# Altium PCB Hvamp_32.PCBDOC (part 4 of 6) (continued)
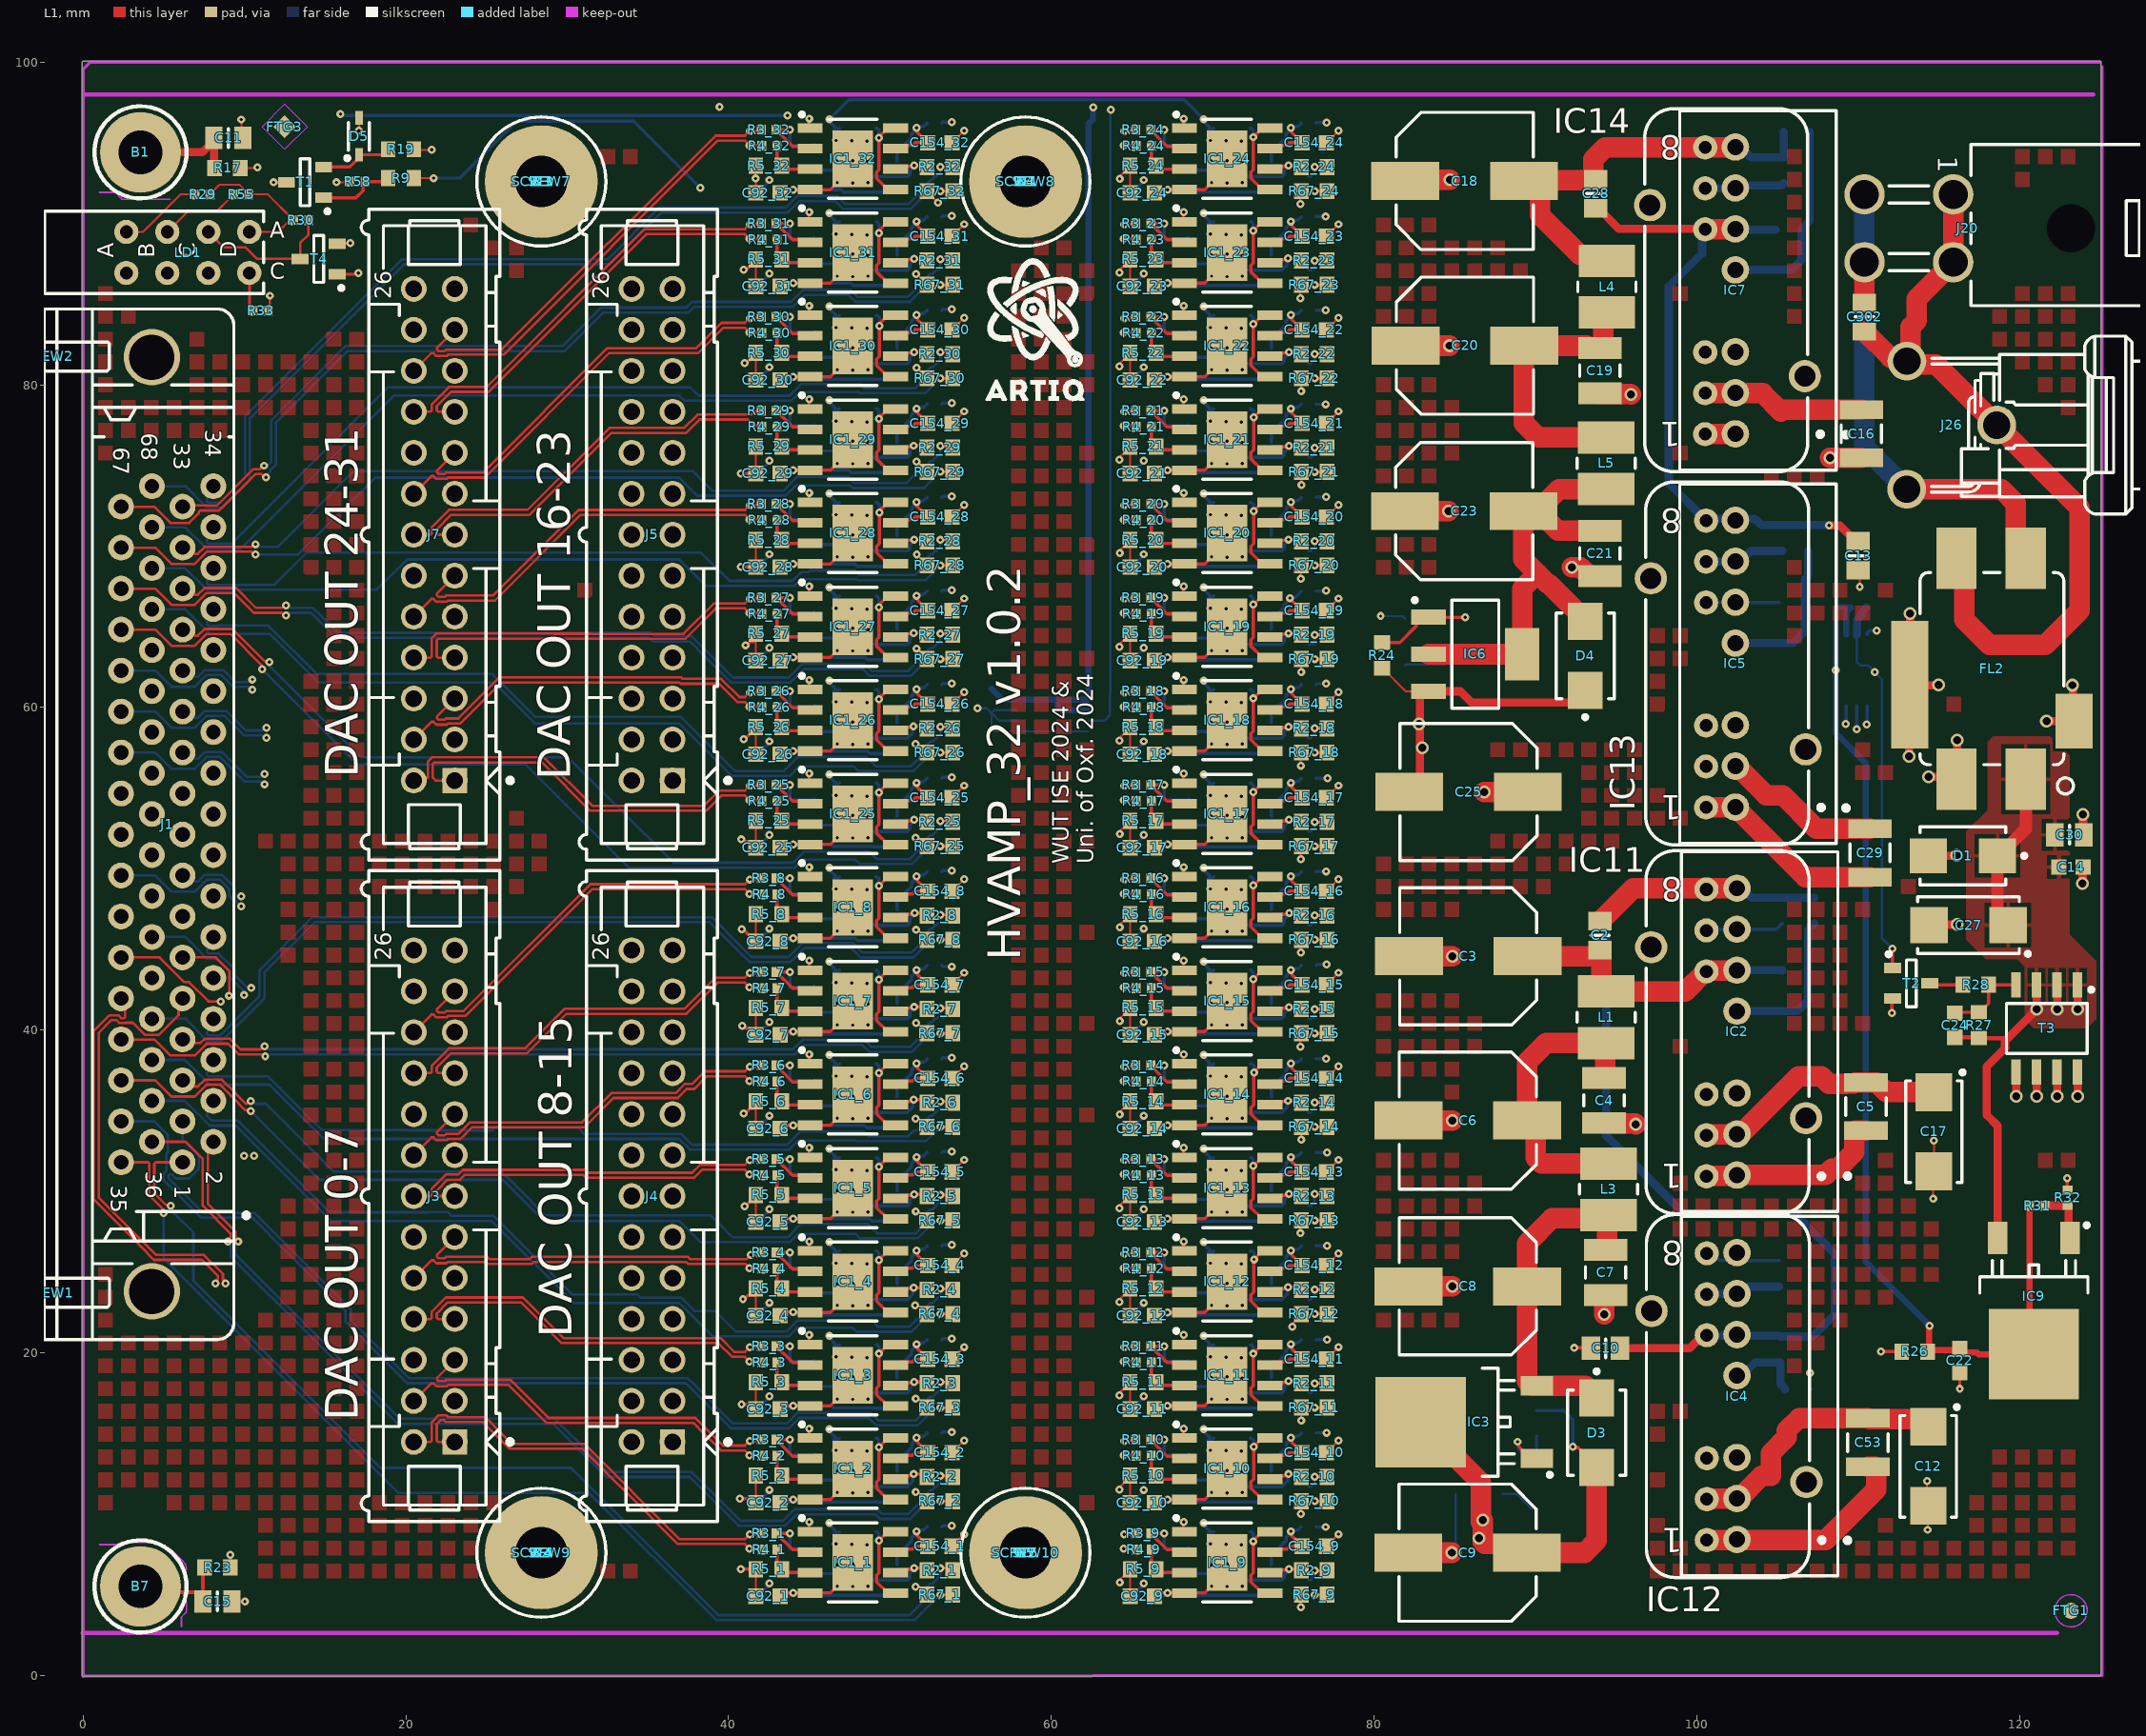
[diagram p0: L1 view]
## Nets (pads, with @x,y where several pads share a name; then routed paths per layer and width w, separated by ;. In a path a pad name is that pad's centre, name@x,y a point inside that pad or via, vN(x,y) a via of type N, cw(c..) or ccw(c..) an arc to the next point about the centre after c; other vN are vias at no path point) (continued)
N_HV_CH_25: C92_25.2 D21_25.1 IC1_25.4 IC1_25.9 L18_25.2 | length 11.3
  L1 w0.203: C92_25.2@43.193,51.297 43.391,51.495 IC1_25.4@45.05,51.495 46.3,51.495 46.734,51.929 v1(46.74,51.929)
  L6 w0.203: L18_25.2@43.16,51.1 43.16,51.11 43.358,51.308 43.733,51.308 43.92,51.495 46.389,51.495 46.51,51.374 48.853,51.374 48.878,51.35 D21_25.1@50.45,51.35
  other v1: 44,51.495 47.705,51.904 48.645,51.929 48.645,53.225 46.714,53.25 47.704,53.295 48.594,54.495 47.629,54.52 46.654,54.545
N_HV_CH_26: C92_26.2 D21_26.1 IC1_26.4 IC1_26.9 L18_26.2 | length 11.3
  L1 w0.203: C92_26.2@43.193,57.097 43.391,57.295 IC1_26.4@45.05,57.295 46.3,57.295 46.734,57.729 v1(46.74,57.729)
  L6 w0.203: L18_26.2@43.16,56.9 43.16,56.91 43.358,57.108 43.733,57.108 43.92,57.295 48.622,57.295 48.767,57.15 D21_26.1@50.45,57.15
  other v1: 44,57.295 47.705,57.704 48.645,57.729 48.645,59.025 46.714,59.05 47.704,59.095 48.594,60.295 47.629,60.32 46.654,60.345
N_HV_CH_27: C92_27.2 D21_27.1 IC1_27.4 IC1_27.9 L18_27.2 | length 11.3
  L1 w0.203: C92_27.2@43.193,62.897 43.391,63.095 IC1_27.4@45.05,63.095 46.3,63.095 46.734,63.529 v1(46.74,63.529)
  L6 w0.203: L18_27.2@43.16,62.7 43.16,62.71 43.358,62.908 43.733,62.908 43.92,63.095 48.461,63.095 48.606,62.95 D21_27.1@50.45,62.95
  other v1: 44,63.095 47.705,63.504 48.645,63.529 48.645,64.825 46.714,64.85 47.704,64.895 48.594,66.095 47.629,66.12 46.654,66.145
N_HV_CH_28: C92_28.2 D21_28.1 IC1_28.4 IC1_28.9 L18_28.2 | length 11.3
  L1 w0.203: C92_28.2@43.193,68.697 43.391,68.895 IC1_28.4@45.05,68.895 46.3,68.895 46.734,69.329 v1(46.74,69.329)
  L6 w0.203: L18_28.2@43.16,68.5 43.16,68.51 43.358,68.708 43.733,68.708 43.92,68.895 47.843,68.895 47.988,68.75 D21_28.1@50.45,68.75
  other v1: 44,68.895 47.705,69.304 48.645,69.329 48.645,70.625 46.714,70.65 47.704,70.695 48.594,71.895 47.629,71.92 46.654,71.945
N_HV_CH_29: C92_29.2 D21_29.1 IC1_29.4 IC1_29.9 L18_29.2 | length 11.3
  L1 w0.203: C92_29.2@43.193,74.497 43.391,74.695 IC1_29.4@45.05,74.695 46.3,74.695 46.734,75.129 v1(46.74,75.129)
  L6 w0.203: L18_29.2@43.16,74.3 43.16,74.31 43.358,74.508 43.733,74.508 43.92,74.695 47.454,74.695 47.599,74.55 D21_29.1@50.45,74.55
  other v1: 44,74.695 47.705,75.104 48.645,75.129 48.645,76.425 46.714,76.45 47.704,76.495 48.594,77.695 47.629,77.72 46.654,77.745
N_HV_CH_30: C92_30.2 D21_30.1 IC1_30.4 IC1_30.9 L18_30.2 | length 11.3
  L1 w0.203: C92_30.2@43.193,80.297 43.391,80.495 IC1_30.4@45.05,80.495 46.3,80.495 46.734,80.929 v1(46.74,80.929)
  L6 w0.203: L18_30.2@43.16,80.1 43.16,80.11 43.358,80.308 43.733,80.308 43.92,80.495 v1(44,80.495) 44.08,80.495 44.225,80.35 D21_30.1@50.45,80.35
  other v1: 47.705,80.904 48.645,80.929 48.645,82.225 46.714,82.25 47.704,82.295 48.594,83.495 47.629,83.52 46.654,83.545
N_HV_CH_31: C92_31.2 D21_31.1 IC1_31.4 IC1_31.9 L18_31.2 | length 11.3
  L1 w0.203: C92_31.2@43.193,86.097 43.391,86.295 IC1_31.4@45.05,86.295 46.3,86.295 46.734,86.729 v1(46.74,86.729)
  L6 w0.203: L18_31.2@43.16,85.9 43.16,85.91 43.358,86.108 43.733,86.108 43.92,86.295 47.586,86.295 47.731,86.15 D21_31.1@50.45,86.15
  other v1: 44,86.295 47.705,86.704 48.645,86.729 48.645,88.025 46.714,88.05 47.704,88.095 48.594,89.295 47.629,89.32 46.654,89.345
N_HV_CH_32: C92_32.2 D21_32.1 IC1_32.4 IC1_32.9 L18_32.2 | length 11.3
  L1 w0.203: C92_32.2@43.193,91.897 43.391,92.095 IC1_32.4@45.05,92.095 46.3,92.095 46.734,92.529 v1(46.74,92.529)
  L6 w0.203: L18_32.2@43.16,91.7 43.16,91.71 43.358,91.908 43.733,91.908 43.92,92.095 46.981,92.095 47.126,91.95 D21_32.1@50.45,91.95
  other v1: 44,92.095 47.705,92.504 48.645,92.529 48.645,93.825 46.714,93.85 47.704,93.895 48.594,95.095 47.629,95.12 46.654,95.145
NetB1_1: B1.1 C11.1 R17.2 | length 6.9
  L1 w0.508: B1.1@3.556,94.412 7.387,94.412 8.1,95.125 C11.1@8.1,95.3 8.121,95.279 8.121,93.461 R17.2@8.142,93.44
NetB7_1: B7.1 C15.1 R23.2 | length 6.3
  L1 w0.254: B7.1@3.556,5.512 3.914,5.154 7.026,5.154 C15.1@7.424,4.756 ; C15.1@7.424,4.581 C15.1@7.424,4.756 ; R23.2@7.524,6.673 7.424,6.573 C15.1@7.424,4.756
NetC1_1_1: C1_1.1 IC1_1.2 R1_1.1 R3_1.2 | length 5.9
  L1 w0.203: v1(43.8,8.8) R3_1.2@42.97,8.8 42.97,8.78 43.97,7.78 44.905,7.78 IC1_1.2@45.05,7.635
  L6 w0.203: v1(43.8,8.8) 43.8,7.85 45.25,7.85 R1_1.1@45.3,7.9
NetC1_1_2: C1_1.2 IC1_1.6 R1_1.2 R2_1.1 | length 10.6
  L1 w0.203: IC1_1.6@50.35,6.365 50.548,6.563 51.339,6.563 51.431,6.655 52.005,6.655 R2_1.1@52.295,6.365
  L6 w0.203: C1_1.2@43.8,6.35 45.25,6.35 R1_1.2@45.3,6.3 48.551,6.3 48.951,5.9 51.1,5.9 51.244,6.044 51.244,6.307 51.511,6.574 v1(51.511,6.655)
NetC1_2_1: C1_2.1 IC1_2.2 R1_2.1 R3_2.2 | length 5.9
  L1 w0.203: v1(43.8,14.6) R3_2.2@42.97,14.6 42.97,14.58 43.97,13.58 44.905,13.58 IC1_2.2@45.05,13.435
  L6 w0.203: v1(43.8,14.6) 43.8,13.65 45.25,13.65 R1_2.1@45.3,13.7
NetC1_2_2: C1_2.2 IC1_2.6 R1_2.2 R2_2.1 | length 10.6
  L1 w0.203: IC1_2.6@50.35,12.165 50.548,12.363 51.297,12.363 51.405,12.471 51.988,12.471 R2_2.1@52.295,12.165
  L6 w0.203: C1_2.2@43.8,12.15 45.25,12.15 R1_2.2@45.3,12.1 48.551,12.1 48.951,11.7 51.1,11.7 51.429,12.029 51.429,12.415 v1(51.486,12.471)
NetC1_3_1: C1_3.1 IC1_3.2 R1_3.1 R3_3.2 | length 5.9
  L1 w0.203: v1(43.8,20.4) R3_3.2@42.97,20.4 42.97,20.38 43.97,19.38 44.905,19.38 IC1_3.2@45.05,19.235
  L6 w0.203: v1(43.8,20.4) 43.8,19.45 45.25,19.45 R1_3.1@45.3,19.5
NetC1_3_2: C1_3.2 IC1_3.6 R1_3.2 R2_3.1 | length 10.5
  L1 w0.203: IC1_3.6@50.35,17.965 50.515,18.13 51.454,18.13 v1(51.511,18.186) 52.073,18.186 R2_3.1@52.295,17.965
  L6 w0.203: C1_3.2@43.8,17.95 45.25,17.95 R1_3.2@45.3,17.9 48.551,17.9 48.951,17.5 51.1,17.5 51.244,17.644 51.244,17.839 51.511,18.106 v1(51.511,18.186)
NetC1_4_1: C1_4.1 IC1_4.2 R1_4.1 R3_4.2 | length 5.9
  L1 w0.203: v1(43.8,26.2) R3_4.2@42.97,26.2 42.97,26.18 43.97,25.18 44.905,25.18 IC1_4.2@45.05,25.035
  L6 w0.203: v1(43.8,26.2) 43.8,25.25 45.25,25.25 R1_4.1@45.3,25.3
NetC1_4_2: C1_4.2 IC1_4.6 R1_4.2 R2_4.1 | length 10.5
  L1 w0.203: IC1_4.6@50.35,23.765 50.548,23.963 51.34,23.963 51.405,24.028 52.031,24.028 R2_4.1@52.295,23.765
  L6 w0.203: C1_4.2@43.8,23.75 45.25,23.75 R1_4.2@45.3,23.7 48.551,23.7 48.951,23.3 51.1,23.3 51.429,23.629 51.429,23.972 v1(51.486,24.028)
NetC1_5_1: C1_5.1 IC1_5.2 R1_5.1 R3_5.2 | length 5.9
  L1 w0.203: v1(43.8,32) R3_5.2@42.97,32 42.97,31.98 43.97,30.98 44.905,30.98 IC1_5.2@45.05,30.835
  L6 w0.203: v1(43.8,32) 43.8,31.05 45.25,31.05 R1_5.1@45.3,31.1
NetC1_5_2: C1_5.2 IC1_5.6 R1_5.2 R2_5.1 | length 10.5
  L1 w0.203: IC1_5.6@50.35,29.565 50.548,29.763 51.454,29.763 v1(51.511,29.82) 52.04,29.82 R2_5.1@52.295,29.565
  L6 w0.203: C1_5.2@43.8,29.55 45.25,29.55 R1_5.2@45.3,29.5 48.551,29.5 48.951,29.1 51.1,29.1 51.244,29.244 51.244,29.472 51.511,29.739 v1(51.511,29.82)
NetC1_6_1: C1_6.1 IC1_6.2 R1_6.1 R3_6.2 | length 5.9
  L1 w0.203: v1(43.8,37.8) R3_6.2@42.97,37.8 42.97,37.78 43.97,36.78 44.905,36.78 IC1_6.2@45.05,36.635
  L6 w0.203: v1(43.8,37.8) 43.8,36.85 45.25,36.85 R1_6.1@45.3,36.9
NetC1_6_2: C1_6.2 IC1_6.6 R1_6.2 R2_6.1 | length 10.6
  L1 w0.203: IC1_6.6@50.35,35.365 50.548,35.563 51.282,35.563 51.405,35.687 51.973,35.687 R2_6.1@52.295,35.365
  L6 w0.203: C1_6.2@43.8,35.35 45.25,35.35 R1_6.2@45.3,35.3 48.551,35.3 48.951,34.9 51.1,34.9 51.429,35.229 51.429,35.63 v1(51.486,35.687)
NetC1_7_1: C1_7.1 IC1_7.2 R1_7.1 R3_7.2 | length 5.9
  L1 w0.203: v1(43.8,43.6) R3_7.2@42.97,43.6 42.97,43.58 43.97,42.58 44.905,42.58 IC1_7.2@45.05,42.435
  L6 w0.203: v1(43.8,43.6) 43.8,42.65 45.25,42.65 R1_7.1@45.3,42.7
NetC1_7_2: C1_7.2 IC1_7.6 R1_7.2 R2_7.1 | length 10.5
  L1 w0.203: IC1_7.6@50.35,41.165 50.548,41.363 51.367,41.363 51.431,41.427 52.032,41.427 R2_7.1@52.295,41.165
  L6 w0.203: C1_7.2@43.8,41.15 45.25,41.15 R1_7.2@45.3,41.1 48.551,41.1 48.951,40.7 51.1,40.7 51.244,40.844 51.244,41.08 51.511,41.347 v1(51.511,41.427)
NetC1_8_1: C1_8.1 IC1_8.2 R1_8.1 R3_8.2 | length 5.9
  L1 w0.203: v1(43.8,49.4) R3_8.2@42.97,49.4 42.97,49.38 43.97,48.38 44.905,48.38 IC1_8.2@45.05,48.235
  L6 w0.203: v1(43.8,49.4) 43.8,48.45 45.25,48.45 R1_8.1@45.3,48.5
NetC1_8_2: C1_8.2 IC1_8.6 R1_8.2 R2_8.1 | length 10.6
  L1 w0.203: IC1_8.6@50.35,46.965 50.548,47.163 51.376,47.163 51.456,47.244 52.016,47.244 R2_8.1@52.295,46.965
  L6 w0.203: C1_8.2@43.8,46.95 45.25,46.95 R1_8.2@45.3,46.9 48.551,46.9 48.951,46.5 51.1,46.5 51.244,46.644 51.244,46.871 51.537,47.164 v1(51.537,47.244)
NetC1_9_1: C1_9.1 IC1_9.2 R1_9.1 R3_9.2 | length 5.9
  L1 w0.203: v1(67,8.8) R3_9.2@66.17,8.8 66.17,8.78 67.17,7.78 68.105,7.78 IC1_9.2@68.25,7.635
  L6 w0.203: v1(67,8.8) 67,7.85 68.45,7.85 R1_9.1@68.5,7.9
NetC1_9_2: C1_9.2 IC1_9.6 R1_9.2 R2_9.1 | length 10.4
  L1 w0.203: IC1_9.6@73.55,6.365 73.707,6.522 74.67,6.522 v1(74.727,6.579) 75.421,6.579 R2_9.1@75.5,6.5
  L6 w0.203: C1_9.2@67,6.35 68.45,6.35 R1_9.2@68.5,6.3 71.751,6.3 72.151,5.9 74.3,5.9 74.444,6.044 74.444,6.215 74.727,6.498 v1(74.727,6.579)
NetC1_10_1: C1_10.1 IC1_10.2 R1_10.1 R3_10.2 | length 5.9
  L1 w0.203: v1(67,14.6) R3_10.2@66.17,14.6 66.17,14.58 67.17,13.58 68.105,13.58 IC1_10.2@68.25,13.435
  L6 w0.203: v1(67,14.6) 67,13.65 68.45,13.65 R1_10.1@68.5,13.7
NetC1_10_2: C1_10.2 IC1_10.6 R1_10.2 R2_10.1 | length 10.6
  L1 w0.203: IC1_10.6@73.55,12.165 73.748,12.363 74.513,12.363 74.621,12.471 75.188,12.471 R2_10.1@75.495,12.165
  L6 w0.203: C1_10.2@67,12.15 68.45,12.15 R1_10.2@68.5,12.1 71.751,12.1 72.151,11.7 74.3,11.7 74.645,12.045 74.645,12.415 v1(74.701,12.471)
NetC1_11_1: C1_11.1 IC1_11.2 R1_11.1 R3_11.2 | length 5.9
  L1 w0.203: v1(67,20.4) R3_11.2@66.17,20.4 66.17,20.38 67.17,19.38 68.105,19.38 IC1_11.2@68.25,19.235
  L6 w0.203: v1(67,20.4) 67,19.45 68.45,19.45 R1_11.1@68.5,19.5
NetC1_11_2: C1_11.2 IC1_11.6 R1_11.2 R2_11.1 | length 10.6
  L1 w0.203: IC1_11.6@73.55,17.965 73.748,18.163 74.547,18.163 74.621,18.237 75.222,18.237 R2_11.1@75.495,17.965
  L6 w0.203: C1_11.2@67,17.95 68.45,17.95 R1_11.2@68.5,17.9 71.751,17.9 72.151,17.5 74.3,17.5 74.444,17.644 74.444,17.899 74.701,18.157 v1(74.701,18.237)
NetC1_12_1: C1_12.1 IC1_12.2 R1_12.1 R3_12.2 | length 5.9
  L1 w0.203: v1(67,26.2) R3_12.2@66.17,26.2 66.17,26.18 67.17,25.18 68.105,25.18 IC1_12.2@68.25,25.035
  L6 w0.203: v1(67,26.2) 67,25.25 68.45,25.25 R1_12.1@68.5,25.3
NetC1_12_2: C1_12.2 IC1_12.6 R1_12.2 R2_12.1 | length 10.6
  L1 w0.203: IC1_12.6@73.55,23.765 73.748,23.963 74.505,23.963 74.596,24.054 75.206,24.054 R2_12.1@75.495,23.765
  L6 w0.203: C1_12.2@67,23.75 68.45,23.75 R1_12.2@68.5,23.7 71.751,23.7 72.151,23.3 74.3,23.3 74.619,23.619 74.619,23.997 v1(74.676,24.054)
NetC1_13_1: C1_13.1 IC1_13.2 R1_13.1 R3_13.2 | length 5.9
  L1 w0.203: v1(67,32) R3_13.2@66.17,32 66.17,31.98 67.17,30.98 68.105,30.98 IC1_13.2@68.25,30.835
  L6 w0.203: v1(67,32) 67,31.05 68.45,31.05 R1_13.1@68.5,31.1
NetC1_13_2: C1_13.2 IC1_13.6 R1_13.2 R2_13.1 | length 10.6
  L1 w0.203: IC1_13.6@73.55,29.565 73.748,29.763 74.565,29.763 74.646,29.845 75.215,29.845 R2_13.1@75.495,29.565
  L6 w0.203: C1_13.2@67,29.55 68.45,29.55 R1_13.2@68.5,29.5 71.751,29.5 72.151,29.1 74.3,29.1 74.444,29.244 74.444,29.482 74.727,29.765 v1(74.727,29.845)
NetC1_14_1: C1_14.1 IC1_14.2 R1_14.1 R3_14.2 | length 5.9
  L1 w0.203: v1(67,37.8) R3_14.2@66.17,37.8 66.17,37.78 67.17,36.78 68.105,36.78 IC1_14.2@68.25,36.635
  L6 w0.203: v1(67,37.8) 67,36.85 68.45,36.85 R1_14.1@68.5,36.9
NetC1_14_2: C1_14.2 IC1_14.6 R1_14.2 R2_14.1 | length 10.5
  L1 w0.203: IC1_14.6@73.55,35.365 73.739,35.554 74.619,35.554 v1(74.676,35.611) 75.249,35.611 R2_14.1@75.495,35.365
  L6 w0.203: C1_14.2@67,35.35 68.45,35.35 R1_14.2@68.5,35.3 71.751,35.3 72.151,34.9 74.3,34.9 74.619,35.219 74.619,35.554 v1(74.676,35.611)
NetC1_15_1: C1_15.1 IC1_15.2 R1_15.1 R3_15.2 | length 5.9
  L1 w0.203: v1(67,43.6) R3_15.2@66.17,43.6 66.17,43.58 67.17,42.58 68.105,42.58 IC1_15.2@68.25,42.435
  L6 w0.203: v1(67,43.6) 67,42.65 68.45,42.65 R1_15.1@68.5,42.7
NetC1_15_2: C1_15.2 IC1_15.6 R1_15.2 R2_15.1 | length 10.5
  L1 w0.203: IC1_15.6@73.55,41.165 73.73,41.345 74.67,41.345 v1(74.727,41.402) 75.258,41.402 R2_15.1@75.495,41.165
  L6 w0.203: C1_15.2@67,41.15 68.45,41.15 R1_15.2@68.5,41.1 71.751,41.1 72.151,40.7 74.3,40.7 74.444,40.844 74.444,41.039 74.727,41.322 v1(74.727,41.402)
NetC1_16_1: C1_16.1 IC1_16.2 R1_16.1 R3_16.2 | length 5.9
  L1 w0.203: v1(67,49.4) R3_16.2@66.17,49.4 66.17,49.38 67.17,48.38 68.105,48.38 IC1_16.2@68.25,48.235
  L6 w0.203: v1(67,49.4) 67,48.45 68.45,48.45 R1_16.1@68.5,48.5
NetC1_16_2: C1_16.2 IC1_16.6 R1_16.2 R2_16.1 | length 10.6
  L1 w0.203: IC1_16.6@73.55,46.965 73.748,47.163 74.591,47.163 74.672,47.244 75.216,47.244 R2_16.1@75.495,46.965
  L6 w0.203: C1_16.2@67,46.95 68.45,46.95 R1_16.2@68.5,46.9 71.751,46.9 72.151,46.5 74.3,46.5 74.444,46.644 74.444,46.855 74.752,47.164 v1(74.752,47.244)
NetC1_17_1: C1_17.1 IC1_17.2 R1_17.1 R3_17.2 | length 5.9
  L1 w0.203: v1(67,55.2) R3_17.2@66.17,55.2 66.17,55.18 67.17,54.18 68.105,54.18 IC1_17.2@68.25,54.035
  L6 w0.203: v1(67,55.2) 67,54.25 68.45,54.25 R1_17.1@68.5,54.3
NetC1_17_2: C1_17.2 IC1_17.6 R1_17.2 R2_17.1 | length 10.6
  L1 w0.203: IC1_17.6@73.55,52.765 73.748,52.963 74.575,52.963 74.646,53.035 75.224,53.035 R2_17.1@75.495,52.765
  L6 w0.203: C1_17.2@67,52.75 68.45,52.75 R1_17.2@68.5,52.7 71.751,52.7 72.151,52.3 74.3,52.3 74.444,52.444 74.444,52.672 74.727,52.955 v1(74.727,53.035)
NetC1_18_1: C1_18.1 IC1_18.2 R1_18.1 R3_18.2 | length 5.9
  L1 w0.203: v1(67,61) R3_18.2@66.17,61 66.17,60.98 67.17,59.98 68.105,59.98 IC1_18.2@68.25,59.835
  L6 w0.203: v1(67,61) 67,60.05 68.45,60.05 R1_18.1@68.5,60.1
NetC1_18_2: C1_18.2 IC1_18.6 R1_18.2 R2_18.1 | length 10.5
  L1 w0.203: IC1_18.6@73.55,58.565 73.729,58.744 74.645,58.744 v1(74.701,58.801) 75.259,58.801 R2_18.1@75.495,58.565
  L6 w0.203: C1_18.2@67,58.55 68.45,58.55 R1_18.2@68.5,58.5 71.751,58.5 72.151,58.1 74.3,58.1 74.444,58.244 74.444,58.463 74.701,58.721 v1(74.701,58.801)
NetC1_19_1: C1_19.1 IC1_19.2 R1_19.1 R3_19.2 | length 5.9
  L1 w0.203: v1(67,66.8) R3_19.2@66.17,66.8 66.17,66.78 67.17,65.78 68.105,65.78 IC1_19.2@68.25,65.635
  L6 w0.203: v1(67,66.8) 67,65.85 68.45,65.85 R1_19.1@68.5,65.9
NetC1_19_2: C1_19.2 IC1_19.6 R1_19.2 R2_19.1 | length 10.5
  L1 w0.203: IC1_19.6@73.55,64.365 73.72,64.535 74.645,64.535 v1(74.701,64.592) 75.267,64.592 R2_19.1@75.495,64.365
  L6 w0.203: C1_19.2@67,64.35 68.45,64.35 R1_19.2@68.5,64.3 71.751,64.3 72.151,63.9 74.3,63.9 74.444,64.044 74.444,64.254 74.701,64.512 v1(74.701,64.592)
NetC1_20_1: C1_20.1 IC1_20.2 R1_20.1 R3_20.2 | length 5.9
  L1 w0.203: v1(67,72.6) R3_20.2@66.17,72.6 66.17,72.58 67.17,71.58 68.105,71.58 IC1_20.2@68.25,71.435
  L6 w0.203: v1(67,72.6) 67,71.65 68.45,71.65 R1_20.1@68.5,71.7
NetC1_20_2: C1_20.2 IC1_20.6 R1_20.2 R2_20.1 | length 10.5
  L1 w0.203: IC1_20.6@73.55,70.165 73.737,70.352 74.645,70.352 v1(74.701,70.409) 75.251,70.409 R2_20.1@75.495,70.165
  L6 w0.203: C1_20.2@67,70.15 68.45,70.15 R1_20.2@68.5,70.1 71.751,70.1 72.151,69.7 74.3,69.7 74.444,69.844 74.444,70.071 74.701,70.328 v1(74.701,70.409)
NetC1_21_1: C1_21.1 IC1_21.2 R1_21.1 R3_21.2 | length 5.9
  L1 w0.203: v1(67,78.4) R3_21.2@66.17,78.4 66.17,78.38 67.17,77.38 68.105,77.38 IC1_21.2@68.25,77.235
  L6 w0.203: v1(67,78.4) 67,77.45 68.45,77.45 R1_21.1@68.5,77.5
NetC1_21_2: C1_21.2 IC1_21.6 R1_21.2 R2_21.1 | length 10.5
  L1 w0.203: IC1_21.6@73.55,75.965 73.728,76.143 74.67,76.143 v1(74.727,76.2) 75.26,76.2 R2_21.1@75.495,75.965
  L6 w0.203: C1_21.2@67,75.95 68.45,75.95 R1_21.2@68.5,75.9 71.751,75.9 72.151,75.5 74.3,75.5 74.444,75.644 74.444,75.837 74.727,76.12 v1(74.727,76.2)
NetC1_22_1: C1_22.1 IC1_22.2 R1_22.1 R3_22.2 | length 5.9
  L1 w0.203: v1(67,84.2) R3_22.2@66.17,84.2 66.17,84.18 67.17,83.18 68.105,83.18 IC1_22.2@68.25,83.035
  L6 w0.203: v1(67,84.2) 67,83.25 68.45,83.25 R1_22.1@68.5,83.3
NetC1_22_2: C1_22.2 IC1_22.6 R1_22.2 R2_22.1 | length 10.5
  L1 w0.203: IC1_22.6@73.55,81.765 73.745,81.96 74.67,81.96 v1(74.727,82.017) 75.243,82.017 R2_22.1@75.495,81.765
  L6 w0.203: C1_22.2@67,81.75 68.45,81.75 R1_22.2@68.5,81.7 71.751,81.7 72.151,81.3 74.3,81.3 74.444,81.444 74.444,81.653 74.727,81.936 v1(74.727,82.017)
NetC1_23_1: C1_23.1 IC1_23.2 R1_23.1 R3_23.2 | length 5.9
  L1 w0.203: v1(67,90) R3_23.2@66.17,90 66.17,89.98 67.17,88.98 68.105,88.98 IC1_23.2@68.25,88.835
  L6 w0.203: v1(67,90) 67,89.05 68.45,89.05 R1_23.1@68.5,89.1
NetC1_23_2: C1_23.2 IC1_23.6 R1_23.2 R2_23.1 | length 10.5
  L1 w0.203: IC1_23.6@73.55,87.565 73.748,87.763 74.526,87.763 74.596,87.833 75.226,87.833 R2_23.1@75.495,87.565
  L6 w0.203: C1_23.2@67,87.55 68.45,87.55 R1_23.2@68.5,87.5 71.751,87.5 72.151,87.1 74.3,87.1 74.619,87.419 74.619,87.776 v1(74.676,87.833)
NetC1_24_1: C1_24.1 IC1_24.2 R1_24.1 R3_24.2 | length 5.9
  L1 w0.203: v1(67,95.8) R3_24.2@66.17,95.8 66.17,95.78 67.17,94.78 68.105,94.78 IC1_24.2@68.25,94.635
  L6 w0.203: v1(67,95.8) 67,94.85 68.45,94.85 R1_24.1@68.5,94.9
NetC1_24_2: C1_24.2 IC1_24.6 R1_24.2 R2_24.1 | length 10.5
  L1 w0.203: IC1_24.6@73.55,93.365 73.727,93.542 74.645,93.542 v1(74.701,93.599) 75.261,93.599 R2_24.1@75.495,93.365
  L6 w0.203: C1_24.2@67,93.35 68.45,93.35 R1_24.2@68.5,93.3 71.751,93.3 72.151,92.9 74.3,92.9 74.444,93.044 74.444,93.261 74.701,93.519 v1(74.701,93.599)
NetC1_25_1: C1_25.1 IC1_25.2 R1_25.1 R3_25.2 | length 5.9
  L1 w0.203: v1(43.8,55.2) R3_25.2@42.97,55.2 42.97,55.18 43.97,54.18 44.905,54.18 IC1_25.2@45.05,54.035
  L6 w0.203: v1(43.8,55.2) 43.8,54.25 45.25,54.25 R1_25.1@45.3,54.3
NetC1_25_2: C1_25.2 IC1_25.6 R1_25.2 R2_25.1 | length 10.6
  L1 w0.203: IC1_25.6@50.35,52.765 50.548,52.963 51.359,52.963 51.431,53.035 52.024,53.035 R2_25.1@52.295,52.765
  L6 w0.203: C1_25.2@43.8,52.75 45.25,52.75 R1_25.2@45.3,52.7 48.551,52.7 48.951,52.3 51.1,52.3 51.244,52.444 51.244,52.687 51.511,52.955 v1(51.511,53.035)
NetC1_26_1: C1_26.1 IC1_26.2 R1_26.1 R3_26.2 | length 5.9
  L1 w0.203: v1(43.8,61) R3_26.2@42.97,61 42.97,60.98 43.97,59.98 44.905,59.98 IC1_26.2@45.05,59.835
  L6 w0.203: v1(43.8,61) 43.8,60.05 45.25,60.05 R1_26.1@45.3,60.1
NetC1_26_2: C1_26.2 IC1_26.6 R1_26.2 R2_26.1 | length 10.5
  L1 w0.203: IC1_26.6@50.35,58.565 50.548,58.763 51.317,58.763 51.38,58.826 52.033,58.826 R2_26.1@52.295,58.565
  L6 w0.203: C1_26.2@43.8,58.55 45.25,58.55 R1_26.2@45.3,58.5 48.551,58.5 48.951,58.1 51.1,58.1 51.404,58.404 51.404,58.77 v1(51.46,58.826)
NetC1_27_1: C1_27.1 IC1_27.2 R1_27.1 R3_27.2 | length 5.9
  L1 w0.203: v1(43.8,66.8) R3_27.2@42.97,66.8 42.97,66.78 43.97,65.78 44.905,65.78 IC1_27.2@45.05,65.635
  L6 w0.203: v1(43.8,66.8) 43.8,65.85 45.25,65.85 R1_27.1@45.3,65.9
NetC1_27_2: C1_27.2 IC1_27.6 R1_27.2 R2_27.1 | length 10.5
  L1 w0.203: IC1_27.6@50.35,64.365 50.546,64.561 51.429,64.561 v1(51.486,64.618) 52.042,64.618 R2_27.1@52.295,64.365
  L6 w0.203: C1_27.2@43.8,64.35 45.25,64.35 R1_27.2@45.3,64.3 48.551,64.3 48.951,63.9 51.1,63.9 51.244,64.044 51.244,64.295 51.486,64.537 v1(51.486,64.618)
NetC1_28_1: C1_28.1 IC1_28.2 R1_28.1 R3_28.2 | length 5.9
  L1 w0.203: v1(43.8,72.6) R3_28.2@42.97,72.6 42.97,72.58 43.97,71.58 44.905,71.58 IC1_28.2@45.05,71.435
  L6 w0.203: v1(43.8,72.6) 43.8,71.65 45.25,71.65 R1_28.1@45.3,71.7
NetC1_28_2: C1_28.2 IC1_28.6 R1_28.2 R2_28.1 | length 10.5
  L1 w0.203: IC1_28.6@50.35,70.165 50.537,70.352 51.454,70.352 v1(51.511,70.409) 52.051,70.409 R2_28.1@52.295,70.165
  L6 w0.203: C1_28.2@43.8,70.15 45.25,70.15 R1_28.2@45.3,70.1 48.551,70.1 48.951,69.7 51.1,69.7 51.244,69.844 51.244,70.061 51.511,70.328 v1(51.511,70.409)
NetC1_29_1: C1_29.1 IC1_29.2 R1_29.1 R3_29.2 | length 5.9
  L1 w0.203: v1(43.8,78.4) R3_29.2@42.97,78.4 42.97,78.38 43.97,77.38 44.905,77.38 IC1_29.2@45.05,77.235
  L6 w0.203: v1(43.8,78.4) 43.8,77.45 45.25,77.45 R1_29.1@45.3,77.5
NetC1_29_2: C1_29.2 IC1_29.6 R1_29.2 R2_29.1 | length 10.5
  L1 w0.203: IC1_29.6@50.35,75.965 50.548,76.163 51.343,76.163 51.405,76.225 52.034,76.225 R2_29.1@52.295,75.965
  L6 w0.203: C1_29.2@43.8,75.95 45.25,75.95 R1_29.2@45.3,75.9 48.551,75.9 48.951,75.5 51.1,75.5 51.244,75.644 51.244,75.903 51.486,76.145 v1(51.486,76.225)
NetC1_30_1: C1_30.1 IC1_30.2 R1_30.1 R3_30.2 | length 5.9
  L1 w0.203: v1(43.8,84.2) R3_30.2@42.97,84.2 42.97,84.18 43.97,83.18 44.905,83.18 IC1_30.2@45.05,83.035
  L6 w0.203: v1(43.8,84.2) 43.8,83.25 45.25,83.25 R1_30.1@45.3,83.3
NetC1_30_2: C1_30.2 IC1_30.6 R1_30.2 R2_30.1 | length 10.5
  L1 w0.203: IC1_30.6@50.35,81.765 50.545,81.96 51.454,81.96 v1(51.511,82.017) 52.043,82.017 R2_30.1@52.295,81.765
  L6 w0.203: C1_30.2@43.8,81.75 45.25,81.75 R1_30.2@45.3,81.7 48.551,81.7 48.951,81.3 51.1,81.3 51.244,81.444 51.244,81.669 51.511,81.936 v1(51.511,82.017)
NetC1_31_1: C1_31.1 IC1_31.2 R1_31.1 R3_31.2 | length 5.9
  L1 w0.203: v1(43.8,90) R3_31.2@42.97,90 42.97,89.98 43.97,88.98 44.905,88.98 IC1_31.2@45.05,88.835
  L6 w0.203: v1(43.8,90) 43.8,89.05 45.25,89.05 R1_31.1@45.3,89.1
NetC1_31_2: C1_31.2 IC1_31.6 R1_31.2 R2_31.1 | length 10.5
  L1 w0.203: IC1_31.6@50.35,87.565 50.536,87.751 51.454,87.751 v1(51.511,87.808) 52.052,87.808 R2_31.1@52.295,87.565
  L6 w0.203: C1_31.2@43.8,87.55 45.25,87.55 R1_31.2@45.3,87.5 48.551,87.5 48.951,87.1 51.1,87.1 51.244,87.244 51.244,87.46 51.511,87.727 v1(51.511,87.808)
NetC1_32_1: C1_32.1 IC1_32.2 R1_32.1 R3_32.2 | length 5.9
  L1 w0.203: v1(43.8,95.8) R3_32.2@42.97,95.8 42.97,95.78 43.97,94.78 44.905,94.78 IC1_32.2@45.05,94.635
  L6 w0.203: v1(43.8,95.8) 43.8,94.85 45.25,94.85 R1_32.1@45.3,94.9
NetC1_32_2: C1_32.2 IC1_32.6 R1_32.2 R2_32.1 | length 10.5
  L1 w0.203: IC1_32.6@50.35,93.365 50.527,93.542 51.454,93.542 v1(51.511,93.599) 52.061,93.599 R2_32.1@52.295,93.365
  L6 w0.203: C1_32.2@43.8,93.35 45.25,93.35 R1_32.2@45.3,93.3 48.551,93.3 48.951,92.9 51.1,92.9 51.244,93.044 51.244,93.251 51.511,93.519 v1(51.511,93.599)
NetC4_1: C4.1 C6.1 L1.2 L3.1 | length 18.4
  L1 w1.27: C4.1@94.259,37.036 94.283,37.036 94.323,37.076 94.323,39.129 L1.2@94.386,39.192 90.678,39.192 89.494,38.008 C6.1@89.494,34.392 90.018,33.868 90.018,32.08 90.373,31.725 L3.1@94.539,31.724
NetC7_1: C7.1 C8.1 D3.1 IC3.3 L3.2 | length 21.4
  L1 w1.27: D3.1@93.802,17.187 93.802,17.262 93.117,17.947 89.768,17.947 89.494,18.222 C8.1@89.494,24.105 89.494,26.781 91.036,28.324 94.338,28.324 L3.2@94.539,28.524 94.45,28.435 94.45,26.408 94.41,26.368 C7.1@94.361,26.368
NetC19_2: C19.2 C20.2 L4.2 L5.1 | length 17.5
  L1 w1.27: L5.1@94.386,76.733 90.17,76.733 89.281,77.622 89.281,82.388 C20.2@89.316,82.423 93.181,82.423 93.33,82.274 C19.2@94.005,82.274 94.181,82.274 94.221,82.314 94.221,84.264 L4.2@94.437,84.48
NetC21_2: C21.2 C23.2 D4.2 IC6.2 IC6.4 L5.2 | length 29.7
  L1 w1.27: IC6.2@83.384,63.297 IC6.4@89.184,63.297 89.184,67.365 90.127,68.309 ; D4.2@93.091,65.345 93.091,65.42 90.855,67.656 90.78,67.656 90.127,68.309 ; C21.2@94.005,70.945 91.406,70.945 C23.2@90.19,72.161 ; L5.2@94.386,73.533 91.474,73.533 90.73,72.789 90.73,72.701 C23.2@90.19,72.161 ; 90.127,68.309 89.265,69.171 C23.2@89.265,72.161 C23.2@90.19,72.161
NetC24_2: C24.2 R27.2 R28.2 T3.4 | length 5.2
  L1 w0.203: C24.2@116,41.05 116.05,41.1 R27.2@117.5,41.1 117.55,41.1 118.1,41.65 R28.2@118.1,42.8 T3.4@119.795,42.8
NetC302_1: C302.1 FL2.3 J20.1 J20.2 J26.2 J26.3 | length 48.4
  L1 w1.27: C302.1@110.4,83.3 110.405,83.3 112.024,81.681 112.811,81.681 J26.3@113.027,81.465 ; J20.1@115.9,91.8 J20.2@115.9,87.6 113.64,85.34 113.64,83.972 113.243,83.576 113.243,81.681 J26.3@113.027,81.465 ; FL2.3@116.1,69.25 116.597,68.753 116.597,65.445 118.161,63.881 121.615,63.881 123.723,65.989 123.723,72.377 J26.2@118.6,77.5 114.851,81.249 113.243,81.249 J26.3@113.027,81.465
NetC302_2: C302.2 FL2.1 J20.3 J20.4 J26.1 | length 32.6
  L1 w1.27: C302.2@110.4,85.1 J20.4@110.4,87.6 ; J26.1@113.022,73.528 118.903,73.528 119.785,72.645 119.785,69.865 FL2.1@120.4,69.25
  L6 w1.27: J20.3@110.4,91.8 J20.4@110.4,87.6 110.4,76.15 J26.1@113.022,73.528
NetD2_1_1: D2_1.1 IC1_1.5 IC1_1.8 | length 6
  L1 w0.203: IC1_1.5@50.35,5.095 49.875,5.095 49.174,5.796 49.174,6.193 49.322,6.341 49.322,8.352 49.875,8.905 IC1_1.8@50.35,8.905
  L6 w0.203: D2_1.1@49.14,8.9 49.194,8.9 49.322,8.772 v1(49.322,8.357)